# Altium PCB Control_Board_Model_C204.PcbDoc (part 5 of 6)
Units mm, origin at the board's own origin, x right, y up, seen from the top; angles counter-clockwise.
Board outline 50 x 50 mm, 8 copper layers (1-Top, 2-GND, 3-SIGNAL, 4-PWR, 5-GND, 6-SIGNAL, 7-GND, 8-Bottom), stack 0.972 mm thick; 432 components, 324 nets, 1521 pads, 1172 vias.
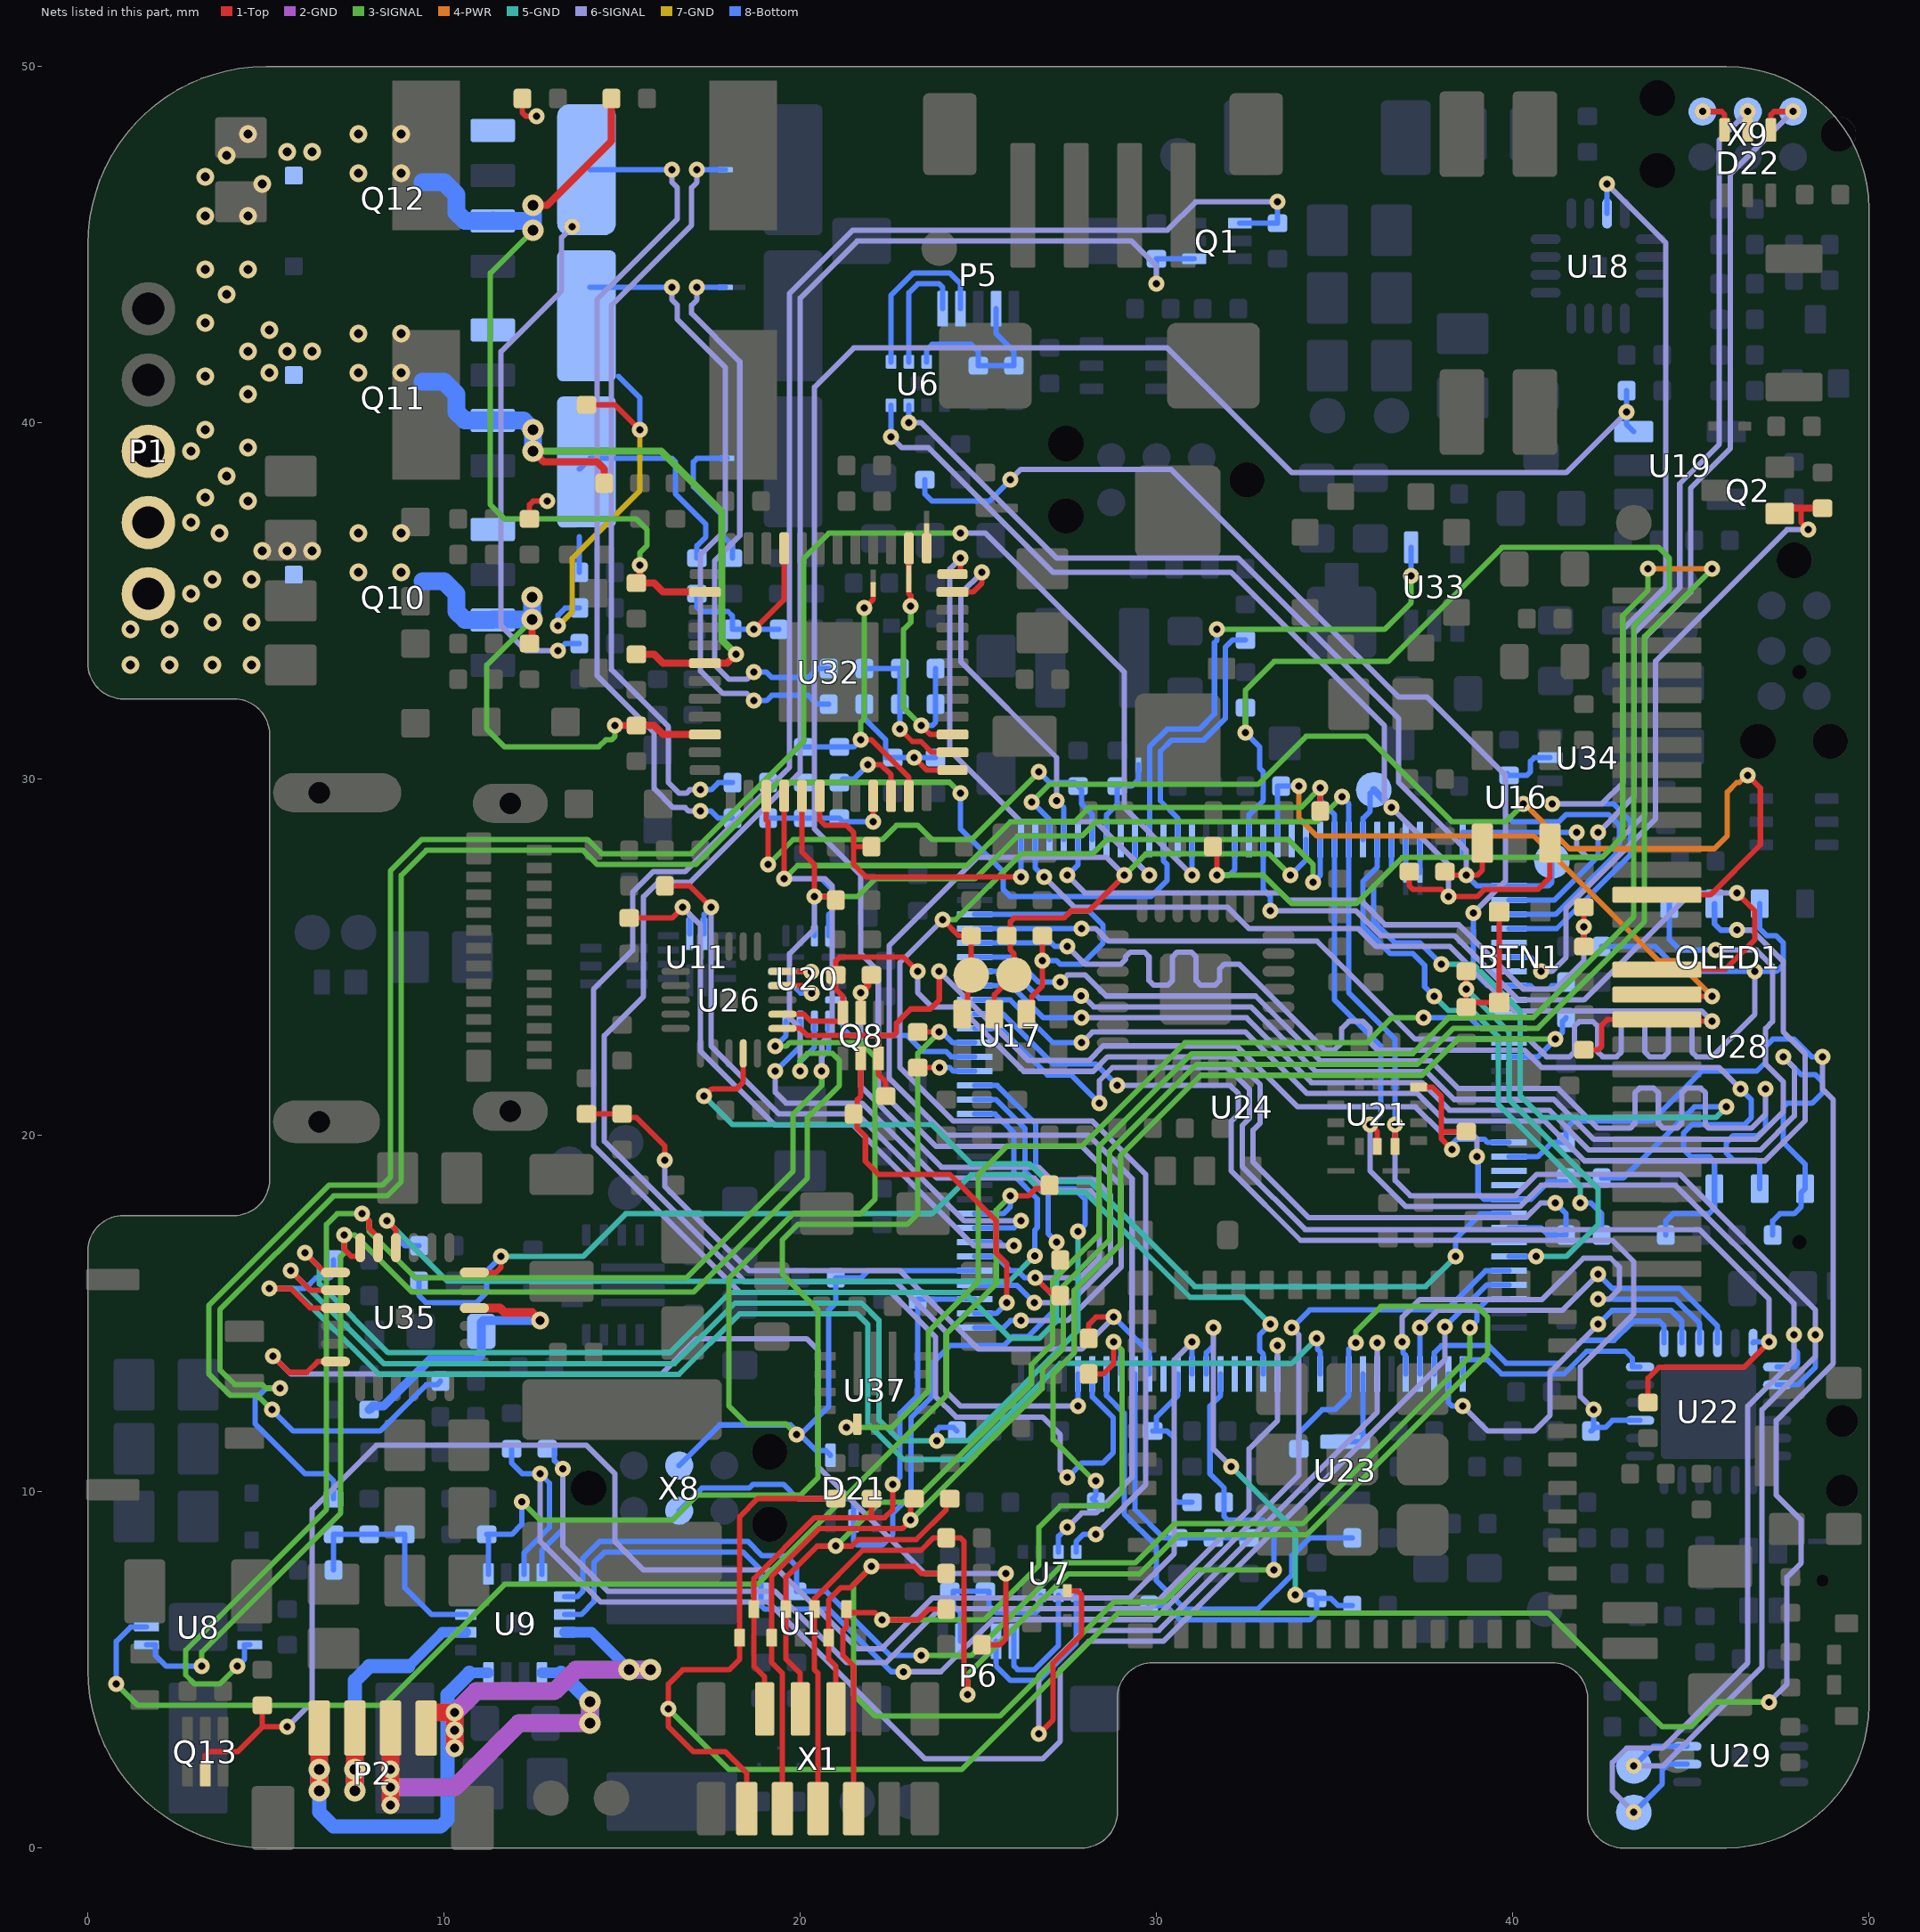
[diagram p11: the nets of this part, all layers, seen from the top]

## Via types
v1: diameter 0.45, hole 0.2, 1-Top to 8-Bottom, tented both sides, 333 vias
v2: diameter 0.5, hole 0.25, 7-GND to 8-Bottom, tented bottom, 258 vias
v3: diameter 0.6, hole 0.3, 1-Top to 8-Bottom, tented both sides, 236 vias
v4: diameter 0.5, hole 0.25, 1-Top to 2-GND, tented top, 231 vias
v5: diameter 0.5, hole 0.25, 1-Top to 8-Bottom, tented both sides, 113 vias
v6: diameter 0.45, hole 0.2, 1-Top to 2-GND, tented top, 1 vias

## Nets (pads, with @x,y where several pads share a name; then routed paths per layer and width w, separated by ;. In a path a pad name is that pad's centre, name@x,y a point inside that pad or via, vN(x,y) a via of type N, cw(c..) or ccw(c..) an arc to the next point about the centre after c; other vN are vias at no path point) (continued)
OP1P: R110.2 R116.1 R117.2 U32.21 | length 5.8
  1-Top w0.152: v1(18.7,34.2) 19.55,35.05 U32.21@19.55,36.475
  8-Bottom w0.152: R110.2@17.1,35.2 17.1,34.825 17.221,34.704 17.971,34.704 18.1,34.575 R117.2@18.1,34.2 v1(18.7,34.2) R116.1@19.4,34.2
OP2N: C114.1 R111.2 R122.1 U32.2 | length 4.4
  1-Top w0.152: v1(22.8,31.4) 23.146,31.054 23.388,31.054 23.691,30.75 U32.2@24.275,30.75
  8-Bottom w0.152: R111.2@21.8,33.1 R122.1@22.8,33.1 C114.1@22.8,32.1 v1(22.8,31.4)
OP2O: C114.2 J2.2 R122.2 U32.3 | length 7.2
  1-Top w0.152: J2.2@23.05,35.444 23.05,35.2 23.102,35.148 v1(23.102,34.85) ; v1(23.402,31.507) 23.402,31.5 23.652,31.25 U32.3@24.275,31.25
  3-SIGNAL w0.152: v1@23.1,34.848 v1(23.102,34.85) 23.102,34.402 22.9,34.2 22.9,32.002 23.395,31.507 v1(23.402,31.507)
  8-Bottom w0.152: v1(23.402,31.507) 23.693,31.507 23.7,31.5 23.8,31.6 C114.2@23.8,32.1 R122.2@23.8,33.1
OP2P: R112.2 R118.1 R119.2 U32.1 | length 4.5
  1-Top w0.152: v1(23.2,30.6) 23.55,30.25 U32.1@24.275,30.25
  8-Bottom w0.152: R112.2@21.8,32.1 21.8,31.7 22.4,31.1 22.4,30.6 R118.1@22.6,30.6 v1(23.2,30.6) R119.2@23.8,30.6 ; R119.2@23.8,30.7 R119.2@23.9,30.7
OP3N: C120.1 R137.2 R145.1 U32.46 | length 4.4
  1-Top w0.152: v1(21.9,30.4) 22.269,30.4 22.55,30.119 U32.46@22.55,29.525
  8-Bottom w0.152: R137.2@19.1,29.9 R145.1@20.1,29.9 C120.1@21.1,29.9 21.2,30 21.5,30 v1(21.9,30.4)
OP3O: C120.2 J7.2 R145.2 U32.47 | length 8.4
  1-Top w0.152: v1(21.7,31.1) 22,31.1 23.05,30.05 U32.47@23.05,29.525 ; v1(21.8,34.8) 22.05,35.05 J7.2@22.05,35.319
  3-SIGNAL w0.152: v1(21.7,31.1) 21.7,31.6 21.8,31.7 v1(21.8,34.8)
  8-Bottom w0.152: R145.2@20.1,30.9 C120.2@21.1,30.9 21.5,30.9 v1(21.7,31.1)
OP3P: R138.2 R139.1 R140.2 U32.45 | length 3.7
  1-Top w0.152: v1(22.05,28.8) U32.45@22.05,29.525
  8-Bottom w0.152: R138.2@19.1,28.9 R139.1@21.1,28.9 21.2,28.8 v1(22.05,28.8)
OUT_U: C146.2 P1.1 Q10.3 Q10.7 R131.2 U32.34 | length 15.6
  1-Top w0.2: R131.2@12.4,33.8 12.475,33.875 v3(12.475,34.475) ; v1(14.8,31.5) C146.2@15.4,31.5 15.9,31.5 16.15,31.25 U32.34@17.325,31.25
  3-SIGNAL w0.152: v3(12.475,34.475) 11.2,33.2 11.2,31.4 11.696,30.904 14.343,30.904 14.539,31.1 14.7,31.1 14.8,31.2 v1(14.8,31.5)
  8-Bottom w0.5: 9.4,35.55 10,35.55 10.352,35.198 10.352,34.7 10.587,34.465 Q10.3@11.367,34.465 11.377,34.475 v3(12.475,34.475) v3(12.475,35.1)
  other v2: 1.2,33.2 2.3,33.2 3.5,33.2 4.6,33.2 1.2,34.2 2.3,34.2 3.5,34.4 4.6,34.4 2.9,35.2 3.5,35.6 4.6,35.6 7.6,35.8 8.8,35.8 4.9,36.4 5.6,36.4 6.3,36.4 7.6,36.9 8.8,36.9
OUT_V: C147.2 P1.2 Q11.3 Q11.7 R133.2 U32.30 | length 20.3
  1-Top w0.2: v3(12.5,39.2) 12.8,38.9 14.3,38.9 14.5,38.7 R133.2@14.5,38.3 ; C147.2@15.4,33.5 15.9,33.5 16.15,33.25 U32.30@17.325,33.25 17.95,33.25 v1(18.2,33.5)
  3-SIGNAL w0.2: v3(12.5,39.2) 16.1,39.2 17.8,37.5 17.8,33.9 v1(18.2,33.5)
  8-Bottom w0.5: 9.4,41.15 10,41.15 10.352,40.798 10.352,40.3 10.587,40.065 Q11.3@11.367,40.065 ; Q11.3@11.377,40.075 Q11.3@11.367,40.065 ; v3(12.5,39.2) v3(12.5,39.8) 12.235,40.065 Q11.3@11.367,40.065
  other v2: 3.7,36.9 2.9,37.2 4.5,37.8 3.3,37.9 3.9,38.5 4.5,39.3 4.5,40.8 5.1,41.4 7.6,41.4 8.8,41.4 4.5,42 5.6,42 6.3,42 7.6,42.5 8.8,42.5 5.1,42.6
OUT_W: C148.2 P1.3 Q12.3 Q12.7 R146.2 U32.26 | length 25.2
  1-Top w0.2: v3(12.5,46.1) 12.9,46.1 14.7,47.9 R146.2@14.7,49.1 ; v1(15.5,36) 15.5,35.6 C148.2@15.4,35.5 15.9,35.5 16.15,35.25 U32.26@17.325,35.25
  3-SIGNAL w0.152: v3(12.5,45.4) 11.3,44.2 11.3,37.7 11.7,37.3 15.4,37.3 15.7,37 15.7,36.559 15.5,36.359 v1(15.5,36)
  8-Bottom w0.5: 9.4,46.75 10,46.75 10.352,46.398 10.352,45.9 10.587,45.665 Q12.3@11.367,45.665 ; Q12.3@11.377,45.675 Q12.3@11.367,45.665 ; v3(12.5,45.4) v3(12.5,46.1) ; v3@12.5,45.665 Q12.3@11.367,45.665
  other v2: 2.9,39.2 3.3,39.8 3.3,41.3 3.3,42.8 3.9,43.6 3.3,44.3 4.5,44.3 3.3,45.8 4.5,45.8 4.9,46.7 3.3,46.9 7.6,47 8.8,47 3.9,47.5 5.6,47.6 6.3,47.6 4.5,48.1 7.6,48.1 8.8,48.1
OUTA1: P2.1 U9.3 | length 12.1
  1-Top w0.5: P2.1@9.5,3.362 9.5,3.8 v4(10.3,3.8) v4(10.3,3.3) v4(10.3,2.8)
  2-GND w0.5: v4(10.3,2.8) v4(10.3,3.3) v4(10.3,3.8) 10.9,4.4 13.1,4.4 13.7,5 v3(15.2,5) v3(15.8,5)
  8-Bottom w0.3: U9.3@13.385,6.05 14.15,6.05 v3(15.2,5)
  8-Bottom w0.5: v3(15.2,5) v3(15.8,5)
OUTA2: P2.2 U9.5 | length 12.4
  1-Top w0.5: v4(8.5,1.2) v4(8.5,1.7) v4(8.5,2.2) P2.2@8.5,3.362
  2-GND w0.5: v4(8.5,1.2) v4(8.5,2.2) ; v4(8.5,1.7) 10.3,1.7 12.1,3.5 v3(14.1,3.5) v3(14.1,4.1)
  8-Bottom w0.3: U9.5@12.75,4.915 13.285,4.915
  8-Bottom w0.4: 13.285,4.915 v3(14.1,4.1)
  8-Bottom w0.5: v3(14.1,3.5) v3(14.1,4.1)
OUTB1: P2.3 U9.10 | length 8.5
  1-Top w0.5: v3(7.5,1.6) v3(7.5,2.2) P2.3@7.5,3.362
  8-Bottom w0.3: 9,5.1 9.95,6.05 U9.10@10.615,6.05
  8-Bottom w0.4: v3(7.5,2.2) 7.5,4.7 7.9,5.1 9,5.1
  8-Bottom w0.5: v3(7.5,1.6) v3(7.5,2.2)
OUTB2: P2.4 U9.8 | length 11.7
  1-Top w0.5: v3(6.5,1.6) v3(6.5,2.2) P2.4@6.5,3.362
  8-Bottom w0.3: 10.715,4.915 U9.8@11.25,4.915
  8-Bottom w0.4: v3(6.5,1.6) 6.5,1 6.9,0.6 9.9,0.6 10.1,0.8 10.1,4.3 10.715,4.915
  8-Bottom w0.5: v3(6.5,1.6) v3(6.5,2.2)
P20_GPIO: C39.2 P5.4 R66.1 U6.3 | length 5.1
  8-Bottom w0.152: U6.3@23.55,41.71 23.55,42.05 23.7,42.2 24.8,42.2 25,42 R66.1@25,41.6 C39.2@26,41.6 26,42 25.5,42.5 P5.4@25.5,43.2
P20_SCL: P5.1 U6.2 | length 3.6
  8-Bottom w0.152: U6.2@23.05,41.71 23.05,43.65 23.3,43.9 23.9,43.9 24,43.8 P5.1@24,43.2
P20_SDA: P5.2 U6.1 | length 4.9
  8-Bottom w0.152: U6.1@22.55,41.71 22.55,43.581 23.174,44.205 24.195,44.205 24.5,43.9 P5.2@24.5,43.2
P28_GPIO: C40.2 P6.4 R67.1 U7.3 | length 4.8
  8-Bottom w0.152: P6.4@24.5,5.8 24.5,6.6 24.3,6.8 24.3,7.2 25.3,7.2 25.3,6.8 25.5,6.6 26.6,6.6 26.75,6.75 U7.3@26.75,7.09
P28_SCL: P6.1 U7.2 | length 4
  8-Bottom w0.152: P6.1@26,6.1 P6.1@26,5.8 26,5.105 26.1,5.005 26.574,5.005 27.25,5.681 U7.2@27.25,7.09
P28_SDA: P6.2 U7.1 | length 4.9
  8-Bottom w0.152: P6.2@25.5,5.8 25.5,5.1 25.9,4.7 26.7,4.7 27.75,5.75 U7.1@27.75,7.09
PA0: Q1.4 R22.2 U24.27 | length 65.9
  6-SIGNAL w0.152: v1(27.5,10.4) 27.3,10.6 27.3,11.595 26.8,12.095 24.374,12.095 23.795,12.674 23.795,14.343 22.547,15.59 18.31,15.59 14.195,19.705 14.195,24.095 15.295,25.195 15.295,26.826 15.874,27.405 16.774,27.405 19.695,30.326 19.695,43.626 21.474,45.405 30.305,45.405 31.1,46.2 v1(33.4,46.2)
  8-Bottom w0.152: v1(27.5,10.4) 27.9,10.8 28.487,10.8 28.787,11.1 28.787,12.074 28.2,12.661 U24.27@28.2,13.3 ; Q1.4@32.34,45.6 R22.2@33.4,45.6 v1(33.4,46.2)
PA1: Q1.1 R21.2 U24.28 | length 57.9
  6-SIGNAL w0.152: v1(27.8,12.4) 24.5,12.4 24.1,12.8 24.1,14.469 22.674,15.895 18.436,15.895 14.5,19.831 14.5,22.8 15.6,23.9 15.6,26.7 16,27.1 16.9,27.1 20,30.2 20,43.5 21.6,45.1 29.3,45.1 30,44.4 v1(30,43.9)
  8-Bottom w0.152: v1(27.8,12.4) U24.28@27.8,13.3 ; v1(30,43.9) R21.2@30,44.6 Q1.1@31.06,44.6
PA2: J1.1 U32.13 | length 0.5
  1-Top w0.152: U32.13@23.55,36.475 J1.1@23.55,36.975
PA3: J2.1 U32.14 | length 0.7
  1-Top w0.152: J2.1@23.05,35.8 U32.14@23.05,36.475
PA4: R96.1 U19.3 U24.33 | length 62.1
  6-SIGNAL w0.152: v1(26.2,14.8) 27.5,14.8 29.01,16.31 29.01,18.59 27.905,19.695 23.805,19.695 22.19,21.31 22.19,24.61 21.7,25.1 21.7,27.3 20.4,28.6 20.4,41 21.5,42.1 30.3,42.1 33.8,38.6 41.5,38.6 v1(43.2,40.3)
  8-Bottom w0.152: U24.33@24.9,14.6 25.7,14.6 25.9,14.8 v1(26.2,14.8) ; R96.1@43.2,40.9 v1(43.2,40.3) 43.2,39.95 U19.3@43.4,39.75
PA5: J7.1 U32.16 | length 0.8
  1-Top w0.152: J7.1@22.05,35.675 U32.16@22.05,36.475
PA5: Q8.2 R81.2 U24.34 | length 10.8
  1-Top w0.152: Q8.2@21.7,22.16 21.7,21.1 21.6,21 21.6,20.2 21.829,19.971 21.829,19.271 22.2,18.9 24.2,18.9 25.5,17.6 25.5,16.7 25.8,16.4 v1(25.8,15.3)
  8-Bottom w0.152: U24.34@24.9,15 25.5,15 v1(25.8,15.3)
PA6: C9.1 R36.1 U1.9 U24.35 X1.2 | length 16.8
  1-Top w0.152: X1.2@19,3.9 19,4.8 18.7,5.1 U1.9@18.7,6.7 18.7,7.562 20.406,9.268 22,9.268 ; R36.1@22,9.8 22,9.268 ; v1(22.596,10.204) 22.596,9.496 22.368,9.268 22,9.268
  8-Bottom w0.152: v1(22.596,10.204) 22.8,10.407 22.8,12.2 23.3,12.7 C9.1@23.3,15.4 U24.35@24.9,15.4
PA7: Q8.5 R82.2 U24.36 | length 18.5
  1-Top w0.2: Q8.5@21.7,23.44 v1(21.7,24) 21.9,24.2 21.9,24.4 R82.2@22,24.5
  6-SIGNAL w0.152: v1(21.7,24) 21.7,21.369 23.964,19.105 26.695,19.105 27.054,18.746 28.285,18.746 28.705,18.326 28.705,16.436 27.569,15.3 v1(26.573,15.3)
  8-Bottom w0.152: U24.36@24.9,15.8 24.905,15.795 26.077,15.795 v1(26.573,15.3)
PA8: R1.1 TP4.1 U6.8 U16.3 U24.89 | length 31.4
  1-Top w0.152: R1.1@37.1,27.4 37.1,27 37.2,26.9 38,26.9 v1(38.2,26.7) 39,26.7 39.2,26.9 40.7,26.9 41.05,27.25 U16.3@41.05,28.1
  6-SIGNAL w0.152: v1(22.55,39.6) 22.85,39.3 23.6,39.3 27.1,35.8 32.1,35.8 36.4,31.5 36.4,29.4 v1(36.6,29.2) 38.2,27.6 v1(38.2,26.7)
  8-Bottom w0.152: v1(22.55,39.6) U6.8@22.55,40.49 ; U24.89@35.8,28.3 35.8,28.9 36,29.1 36,29.6 TP4.1@36.1,29.7
  8-Bottom w0.2: TP4.1@36.1,29.7 v1(36.6,29.2)
PA9: R19.2 U24.90 | length 14.8
  5-GND w0.152: v1(37.8,23.9) 38.2,23.5 38.869,23.5 39.595,22.774 39.595,20.874 41.9,18.569 v1(41.9,18.1)
  8-Bottom w0.152: U24.90@36.2,28.3 36.2,27.531 35.795,27.126 35.795,25.874 36.569,25.1 37.2,25.1 37.529,24.771 37.529,24.171 v1(37.8,23.9) ; v1(41.9,18.1) 42.2,18.1 42.5,17.8 R19.2@42.5,17.4
PA10: R20.2 U24.91 | length 20.5
  5-GND w0.152: v1(38,24.8) 38.9,24.8 40.205,23.495 40.205,21.126 40.831,20.5 45.7,20.5 v1(46,20.8)
  8-Bottom w0.152: U24.91@36.6,28.3 36.6,27.5 36.1,27 36.1,26 36.695,25.405 37.395,25.405 v1(38,24.8) ; R20.2@42.5,18.8 43.1,18.8 45.1,20.8 v1(46,20.8)
PA11: NT2.1 U24.92 | length 1
  8-Bottom w0.152: NT2.1@37,27.3 U24.92@37,28.3
PA12: NT1.1 U24.93 | length 0.9
  8-Bottom w0.152: NT1.1@37.4,27.376 U24.93@37.4,28.3
PA13: D22.4 U24.96 X9.2 | length 29.3
  1-Top w0.152: D22.4@47.25,48.22 47.25,48.65 47.335,48.735 v1(47.87,48.735)
  6-SIGNAL w0.152: v1(41.798,28.5) 41.798,28.102 42.1,27.8 42.5,27.8 43.709,29.009 43.709,33.961 44.995,35.248 44.995,36 44.995,38.165 46.105,39.274 46.105,46.97 v1(47.87,48.735)
  8-Bottom w0.152: U24.96@38.6,27.9 38.6,28.5 v1(41.798,28.5)
PA14: D22.5 U24.98 X9.4 | length 26.2
  1-Top w0.2: D22.5@46.6,48.22 v1(46.6,48.735)
  6-SIGNAL w0.152: v1(42.4,28.5) 43.404,29.504 43.404,34.088 44.691,35.374 44.691,38.291 45.8,39.4 45.8,47.935 46.165,48.3 v1(46.6,48.735)
  8-Bottom w0.152: U24.98@39.9,26.6 41.17,26.6 42.4,27.83 v1(42.4,28.5)
PA15: R173.1 U24.99 U34.5 | length 10.7
  8-Bottom w0.152: R173.1@39.85,30.15 39.8,30.1 39.8,29 39.995,28.805 41.3,28.805 41.495,29 42.7,29 43,28.7 43,28 41.2,26.2 U24.99@39.9,26.2 ; R173.1@39.9,30.1 40.395,30.1 40.5,30.205 40.5,30.5 40.6,30.6 U34.5@41.05,30.6
PB0: R83.1 U11.1 U24.39 | length 18.9
  1-Top w0.152: R83.1@15.2,26.1 16.4,26.1 v1(16.7,26.4)
  6-SIGNAL w0.152: v1(16.7,26.4) 17.195,25.905 17.195,22.374 19.274,20.295 21.481,20.295 24.876,16.9 v1(26,16.9)
  8-Bottom w0.152: v1(16.7,26.4) 16.9,26.2 U11.1@16.9,25.65 ; U24.39@24.9,17 25.6,17 25.7,16.9 v1(26,16.9)
PB1: R84.1 U11.2 U24.40 | length 18.4
  1-Top w0.152: R84.1@16.2,27 16.9,27 v1(17.5,26.4)
  6-SIGNAL w0.152: v1(17.5,26.4) 17.5,22.5 19.4,20.6 21.607,20.6 24.607,17.6 v1(26.2,17.6)
  8-Bottom w0.152: U11.2@17.3,25.65 17.3,26.2 v1(17.5,26.4) ; U24.40@24.9,17.4 24.9,17.405 26.005,17.405 v1(26.2,17.6)
PB2: R65.2 U8.5 U24.41 | length 38.3
  1-Top w0.152: v1(25.9,18.3) 26.4,18.3 26.6,18.5 26.9,18.5 R65.2@27,18.6
  3-SIGNAL w0.152: v1(0.8,4.6) 1.4,4 8.3,4 11.7,7.4 18.8,7.4 24.102,12.702 24.102,14.433 25.502,15.833 25.502,17.902 v1(25.9,18.3)
  8-Bottom w0.152: v1(0.8,4.6) 0.8,5.8 1.2,6.2 U8.5@1.65,6.2 ; U24.41@24.9,17.8 25.7,17.8 25.9,18 v1(25.9,18.3)
PB3: U24.118
PB4: C60.2 Q8.3 R20.1 U24.119 U26.11 | length 29.3
  1-Top w0.152: U26.11@19.5,23 20,23 20.2,22.8 22.2,22.8 ; C60.2@22.4,21.1 22.4,21.5 22.2,21.7 Q8.3@22.2,22.16 22.2,22.8 ; v1(23.902,24.6) 23.902,23.802 23.648,23.548 23.1,23.548 22.7,23.148 22.7,22.9 22.6,22.8 22.2,22.8
  6-SIGNAL w0.152: v1(23.902,24.6) 26.401,22.102 28.098,22.102 28.506,22.51 32.253,22.51 33.962,20.8 37.269,20.8 37.974,20.095 38.805,20.095 39,19.9 v1(39,19.4)
  8-Bottom w0.152: v1(39,19.4) 39.029,19.371 39.029,18.371 39.2,18.2 U24.119@39.9,18.2 40.504,18.2 41.004,18.7 R20.1@41.5,18.7
PB5: U24.120 U26.9 | length 28
  1-Top w0.152: v1(17.3,21.1) 17.495,21.295 17.526,21.295 17.531,21.3 18.2,21.3 18.4,21.5 U26.9@18.4,22.3
  5-GND w0.152: v1(17.3,21.1) 18.1,20.3 23.7,20.3 24.795,19.205 26.426,19.205 26.926,18.705 28.126,18.705 31.073,15.758 37.556,15.758 v1(38.398,16.6)
  8-Bottom w0.152: v1(38.398,16.6) 38.398,17.098 39.1,17.8 U24.120@39.9,17.8
PB6: C58.2 Q8.6 R19.1 U24.121 U26.12 | length 32
  1-Top w0.152: U26.12@19.5,23.4 20.1,23.4 20.3,23.2 21.2,23.2 Q8.6@21.2,23.44 21.2,23.9 21,24.1 C58.2@21,24.5 21,24.9 21.1,25 22.9,25 v1(23.3,24.6)
  6-SIGNAL w0.152: v1(23.3,24.6) 23.3,24 23.7,23.6 24.471,23.6 26.274,21.797 28.224,21.797 28.632,22.205 32.126,22.205 32.91,21.421 32.91,20.347 32.71,20.147 32.71,19.253 34.267,17.695 40.379,17.695 40.784,18.1 v1(41.2,18.1)
  8-Bottom w0.152: U24.121@39.9,17.4 40.8,17.4 41,17.2 R19.1@41.5,17.2 41.5,17.8 v1(41.2,18.1)
PB7: U24.122
PB8: BTN1.2 C1.2 R7.1 U24.123 | length 15.4
  1-Top w0.152: C1.2@38.6,24.6 38.7,24.5 v1(38.7,24.1) 38.7,23.7 38.725,23.725 BTN1.2@39.62,23.725 BTN1.2@39.62,26.275
  5-GND w0.152: v1(38.7,24.1) 39.9,22.9 39.9,21 42.4,18.5 42.4,17.5 41.5,16.6 v1(40.654,16.6)
  8-Bottom w0.152: U24.123@39.9,16.6 v1(40.654,16.6)
PB9: R76.2 U9.2 U24.124 | length 37.2
  6-SIGNAL w0.152: v1(22.9,4.946) 23.946,4.946 25.41,6.41 29.94,6.41 34,10.469 34,14.4 v1(33.8,14.6)
  8-Bottom w0.152: U9.2@13.385,6.55 13.85,6.55 14.205,6.905 14.205,8.005 14.5,8.3 18.4,8.3 18.9,7.8 R76.2@18.9,7.2 18.9,6.8 19,6.7 20.8,6.7 22.554,4.946 v1(22.9,4.946) ; v1(33.8,14.6) 34.3,15.1 38.138,15.1 39.238,16.2 U24.124@39.9,16.2
PB10: R91.2 U17.2 U24.62 | length 8.7
  1-Top w0.152: U17.2@26.35,23.4 26.5,23.55 26.5,23.9 26.8,24.2 v1(26.8,24.9) R91.2@26.8,25.6
  8-Bottom w0.152: U24.62@24.9,26.2 27.5,26.2 27.6,26.3 28.1,26.3 28.5,25.9 28.5,25.4 27.9,24.8 27.3,24.8 27.2,24.9 v1(26.8,24.9)
PB11: R167.1 U24.65 U32.42 | length 9.1
  1-Top w0.152: U32.42@20.55,29.525 20.55,28.85 20.7,28.7 21.3,28.7 21.5,28.5 21.5,28.1 ; R167.1@22,28.1 21.5,28.1 ; v1(26.2,27.25) 21.85,27.25 21.5,27.6 21.5,28.1
  8-Bottom w0.152: v1(26.2,27.25) U24.65@26.2,28.3
PB12: OLED1.13 R8.2 U24.66 | length 25.9
  1-Top w0.152: R8.2@42,22.4 42.4,22.4 42.5,22.5 42.5,23.1 42.65,23.25 OLED1.13@44.05,23.25 44.1,23.2 v1(45.6,23.2)
  6-SIGNAL w0.152: v1(26.85,27.25) 27.7,26.4 32,26.4 32.6,25.8 35.669,25.8 36.169,25.3 38.238,25.3 40.043,23.495 45.305,23.495 v1(45.6,23.2)
  8-Bottom w0.152: U24.66@26.6,28.3 26.6,27.5 v1(26.85,27.25)
PB13: OLED1.18 U24.67 | length 31
  1-Top w0.152: OLED1.18@44.05,26.75 45.55,26.75 46.954,28.154 46.954,29.746 v1(46.6,30.1)
  3-SIGNAL w0.152: v1(26.5,29.358) 26.991,29.85 32.85,29.85 34.2,31.2 35.9,31.2 38.3,28.8 39.8,28.8 v1(40.3,29.3)
  4-PWR w0.152: v1(40.3,29.3) 40.342,29.3 41.595,28.046 45.66,28.046 46.024,28.41 46.024,29.638 46.289,29.904 46.362,29.904 46.558,30.1 v1(46.6,30.1)
  8-Bottom w0.152: v1(26.5,29.358) 27,28.858 U24.67@27,28.3
PB14: U24.68 U32.11 | length 10.2
  1-Top w0.152: U32.11@24.275,35.25 24.85,35.25 25.1,35.5 v1(25.1,35.8)
  6-SIGNAL w0.152: v1(25.1,35.8) 24.504,35.204 24.504,33.296 27.196,30.604 v1(27.196,29.396)
  8-Bottom w0.152: v1(27.196,29.396) 27.4,29.193 U24.68@27.4,28.3
PB15: R9.2 R162.1 U24.69 | length 19.3
  1-Top w0.152: R9.2@42,25.3 v1(42,25.85) R162.1@42,26.4
  6-SIGNAL w0.152: v1(27.5,27.3) 28,26.8 33.5,26.8 33.695,26.605 35.726,26.605 36.421,25.91 38.49,25.91 40.295,24.105 41.205,24.105 42,24.9 v1(42,25.85)
  8-Bottom w0.152: v1(27.5,27.3) 27.8,27.6 U24.69@27.8,28.3
PC0: U24.22
PC1: C61.2 R85.2 R88.2 U24.23 | length 21.8
  1-Top w0.152: R85.2@14,20.6 R88.2@15,20.6 15.1,20.5 15.4,20.5 16.2,19.7 v1(16.2,19.3) ; C61.2@28.1,14.3 28.1,14.7 28.3,14.9 v1(28.8,14.9)
  6-SIGNAL w0.152: v1(16.2,19.3) 16.2,18.562 18.562,16.2 22.8,16.2 25,14 27.9,14 v1(28.8,14.9)
  8-Bottom w0.152: v1(28.8,14.9) 29.8,13.9 U24.23@29.8,13.3
PC2: C62.2 R86.2 R89.2 U24.24 | length 7.3
  8-Bottom w0.152: U24.24@29.4,13.3 29.396,13.296 29.396,9.504 30.2,8.7 C62.2@30.6,8.7 R89.2@31.6,8.7 R86.2@32.6,8.7
PC3: C14.1 R41.1 U1.6 U24.25 X1.7 | length 24.1
  1-Top w0.152: X1.7@21.5,1.1 21.5,5.1 21.2,5.4 21.2,6.1 21.3,6.2 21.3,6.6 22.1,6.6 v1(22.3,6.4) 23.3,6.4 23.6,6.7 R41.1@24.1,6.7 ; C14.1@28.2,13.3 28.5,13.3 28.8,13.6 v1(28.8,14.2)
  3-SIGNAL w0.152: v1(22.3,6.4) 25.169,6.4 26.7,7.931 26.7,9 27.3,9.6 28.632,9.6 29.032,10 29.032,13.968 v1(28.8,14.2)
  8-Bottom w0.152: v1(28.8,14.2) 29,14 U24.25@29,13.3
PC4: D21.1 R14.2 U20.8 U24.37 X8.3 | length 32.7
  3-SIGNAL w0.152: v1(19.3,22.5) 19.6,22.5 19.705,22.605 21.695,22.605 22.1,22.2 22.1,18.205 21.7,17.805 19.805,17.805 18,16 18,12.4 18.5,11.9 19.6,11.9 v1(19.9,11.6)
  8-Bottom w0.152: X8.3@16.6,10.735 17.736,11.871 19.729,11.871 19.9,11.7 v1(19.9,11.6) ; v1(19.3,22.5) 19.6,22.8 U20.8@19.6,23.2 ; D21.1@20.85,11.02 20.72,11.15 20.45,11.15 v1@20,11.6 ; U24.37@24.9,16.2 21.9,16.2 21.7,16 R14.2@21,16 21,15.3 20.8,15.1 20.8,12.4 v1@20,11.6 ; v1(19.9,11.6) v1@20,11.6 ; v1(19.9,11.6) v1@20,11.6
PC5: D21.5 R13.2 U20.7 U24.38 X8.4 | length 37.3
  1-Top w0.152: v1(26.6,16) 27,15.6 27.2,15.6 R13.2@27.3,15.5
  6-SIGNAL w0.152: v1(19.3,21.8) 19.3,21.205 19.6,20.905 21.733,20.905 23.838,18.8 26.569,18.8 26.927,18.442 28.158,18.442 28.4,18.2 28.4,16.562 27.838,16 v1(26.6,16)
  8-Bottom w0.152: X8.4@16.6,9.465 17.235,10.1 18.569,10.1 18.674,10.205 19.526,10.205 19.931,9.8 21.4,9.8 21.5,9.7 D21.5@21.5,9.18 21.5,8.6 21.6,8.5 22.3,8.5 22.6,8.8 22.6,9.4 23.105,9.905 23.105,12.074 23.7,12.669 23.7,13.6 24.2,14.1 25.719,14.1 25.965,14.346 26.388,14.346 27.1,15.059 27.1,15.5 v1(26.6,16) 26.304,16 26.102,16.202 25.898,16.202 25.5,16.6 U24.38@24.9,16.6 ; v1(19.3,21.8) 20,22.5 U20.7@20,23.2
PC6: C10.1 R37.1 U1.2 U24.80 X1.3 | length 77.3
  1-Top w0.152: X1.3@19.5,1.1 19.5,4.9 19.2,5.2 U1.2@19.2,5.9 19.2,7.631 20.532,8.963 22.863,8.963 v1(23.1,9.2) 23.1,9.7 R37.1@23,9.8 ; C10.1@31.584,28.1 31.7,27.985 v1(31.7,27.3)
  3-SIGNAL w0.152: v1(23.1,9.2) 26.795,12.895 26.795,13.435 27.386,14.026 27.386,15.779 28.686,17.079 28.686,19.559 31.118,21.99 37.321,21.99 38.336,23.005 40.705,23.005 43.7,26 43.7,34 v1(45.6,35.9) ; v1(31.7,27.3) 33,27.3 33.8,26.5 35.6,26.5 36.9,27.8 42.5,27.8 43.09,28.39 43.09,34.59 43.8,35.3 v1(43.8,35.9)